# Altium PCB bms_afe_tester-1_0.PcbDoc (part 1 of 4)
Units mm, origin at the board's own origin, x right, y up, seen from the top; angles counter-clockwise.
Board outline 400 x 85 mm, 4 copper layers (L1, L2, L3, L4), stack 1.586 mm thick; 576 components, 326 nets, 1526 pads, 396 vias.
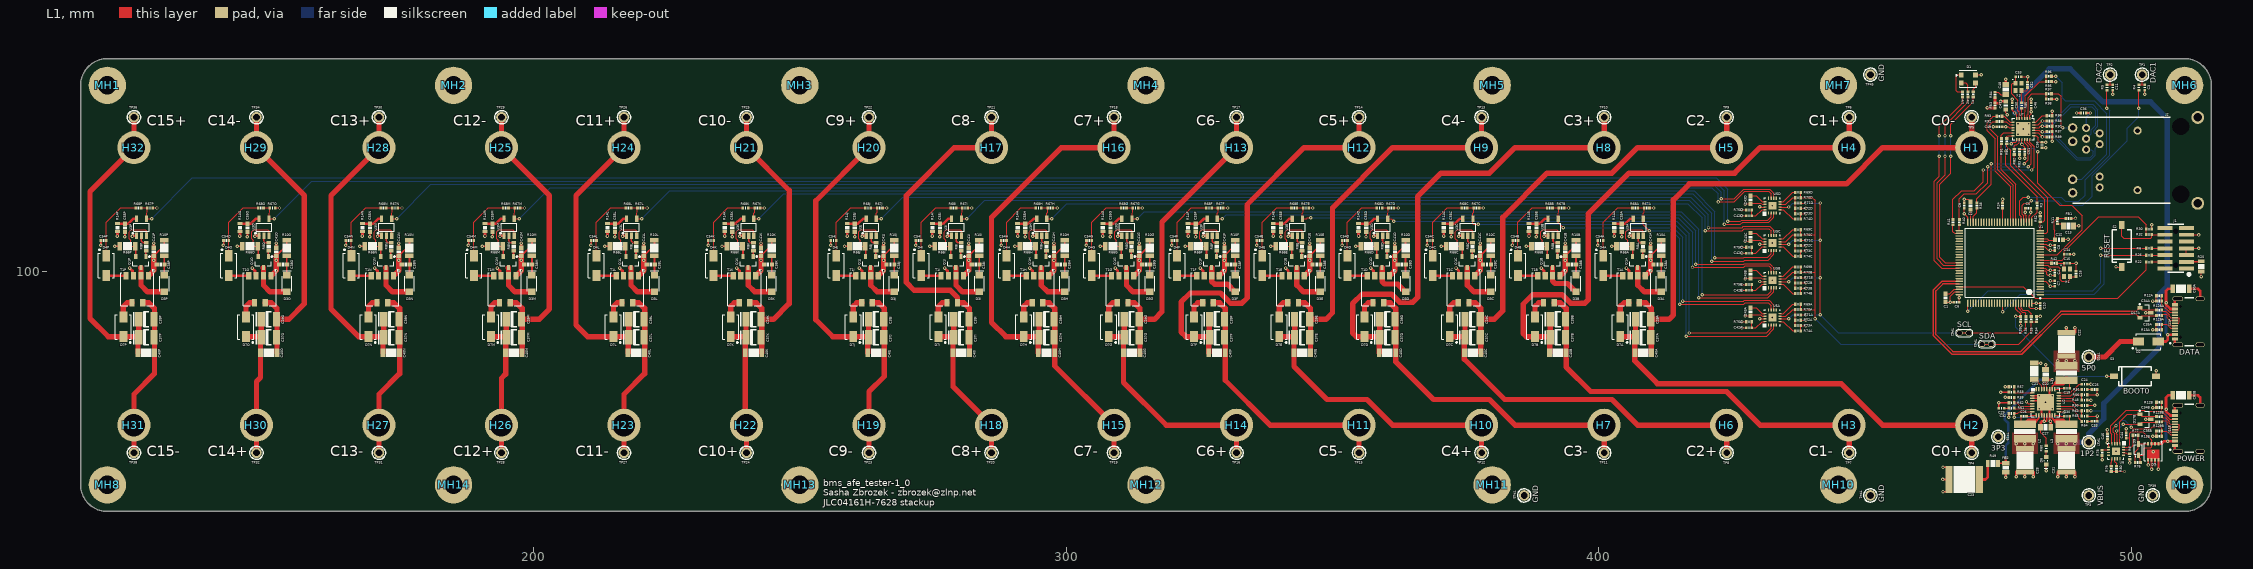
[diagram p0: L1 view]
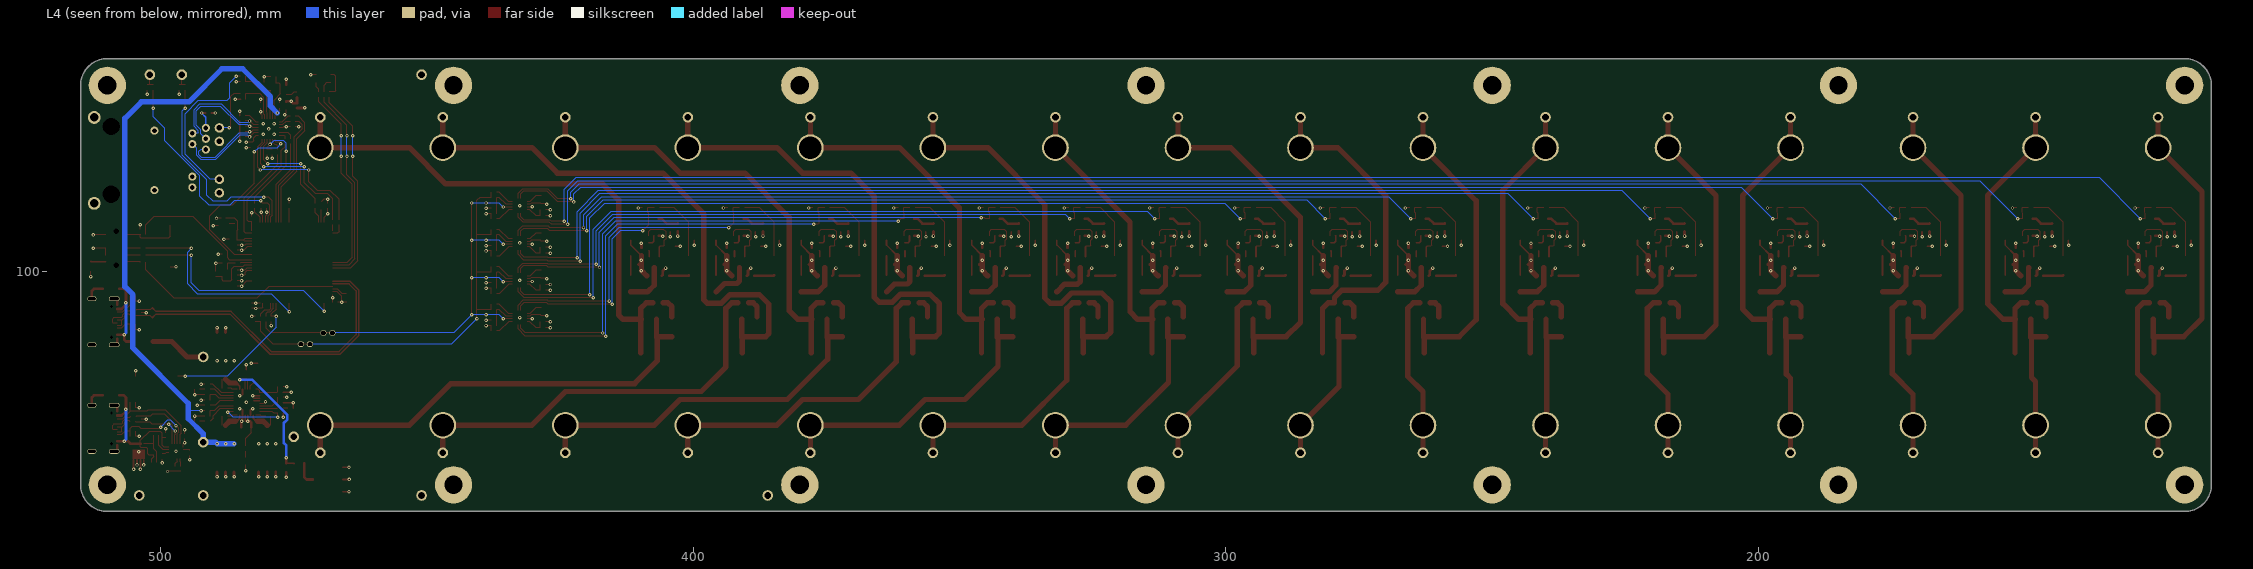
[diagram p1: L4 view, seen from below]
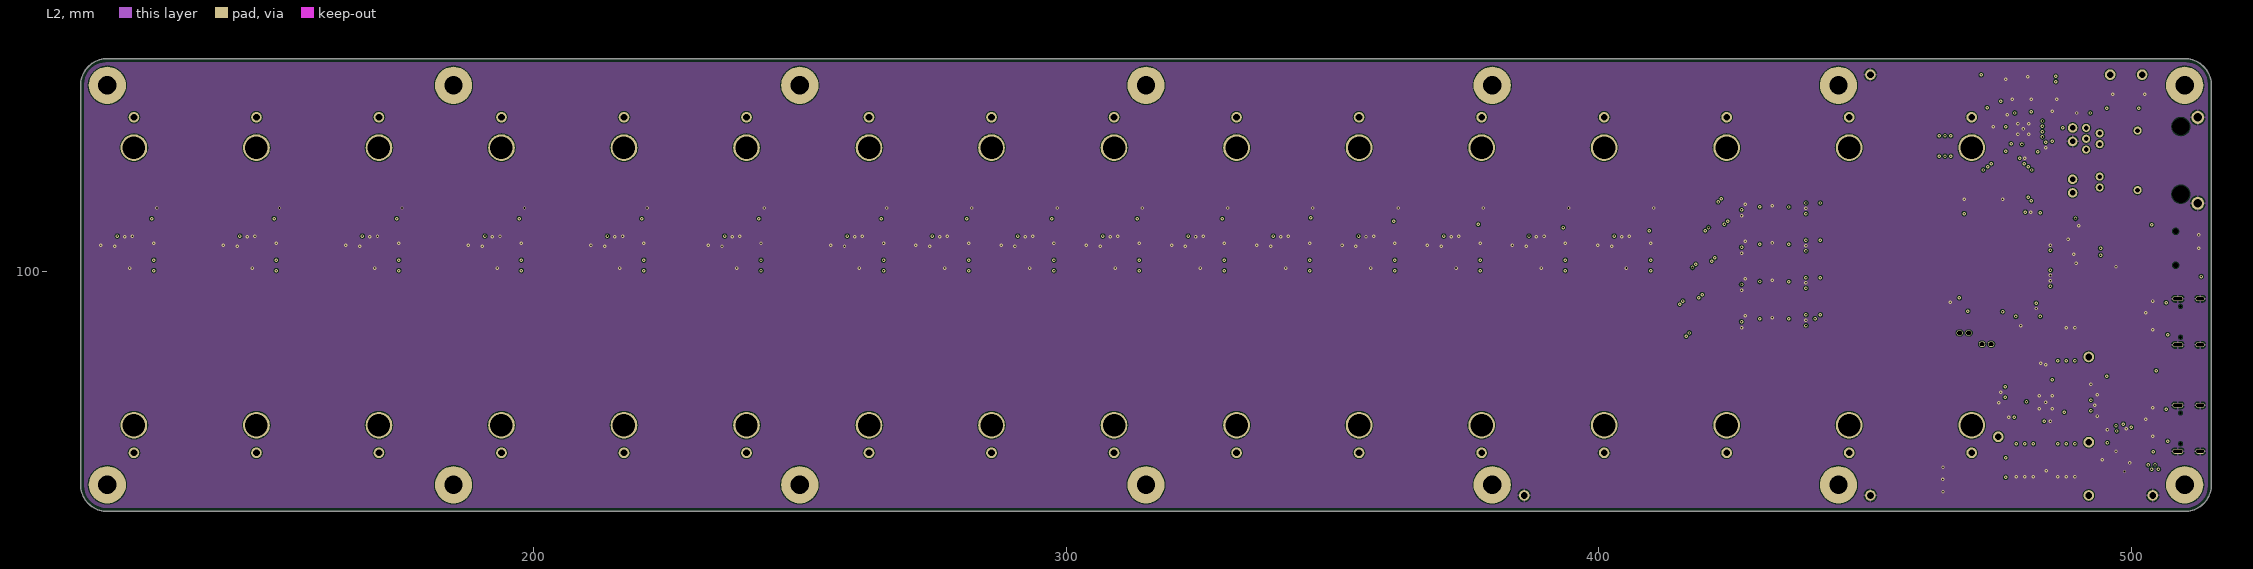
[diagram p2: L2]
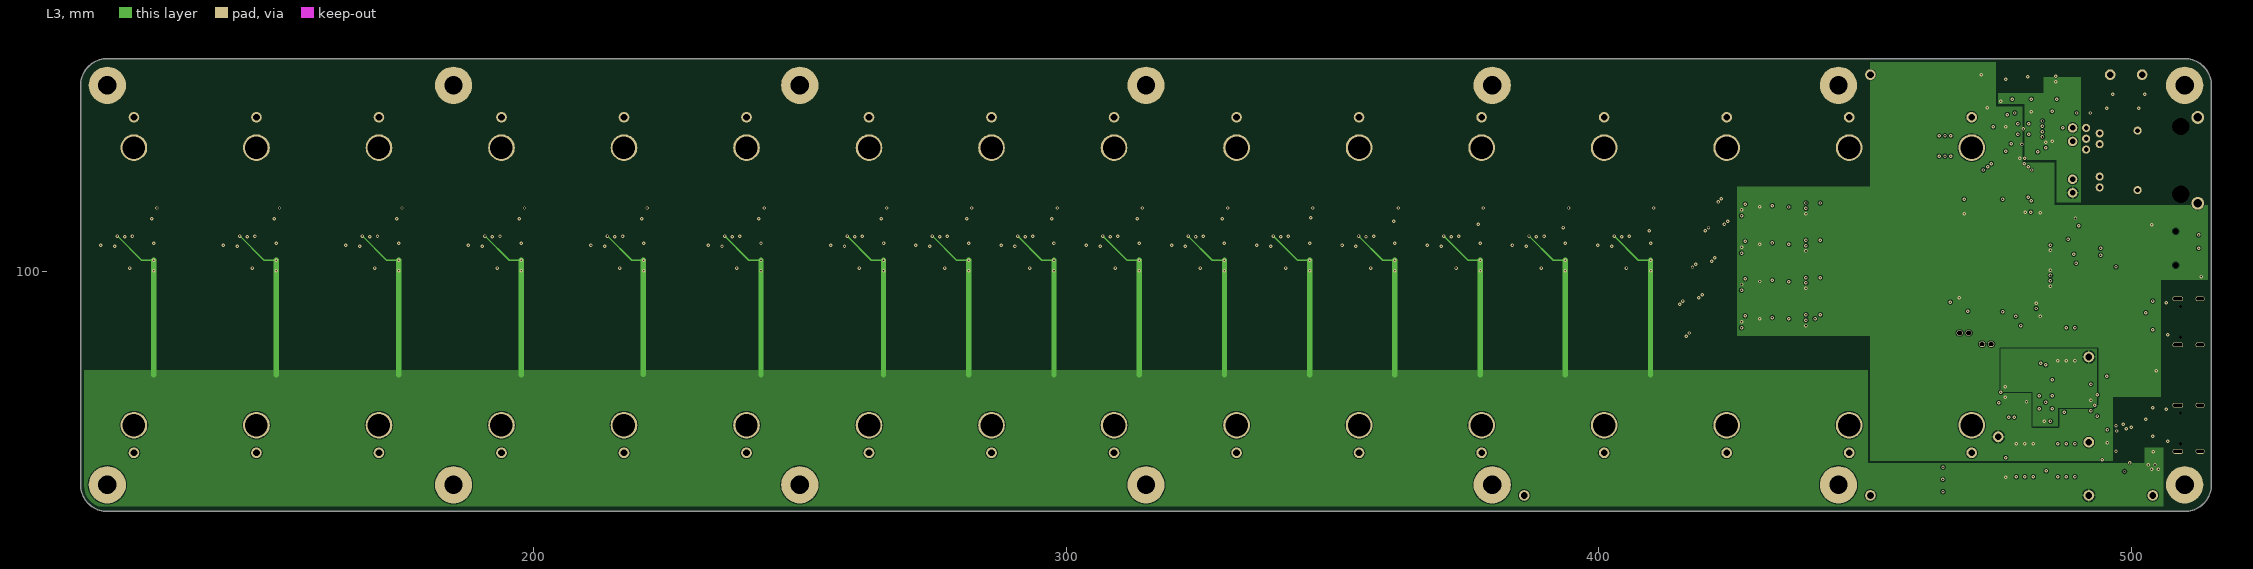
[diagram p3: L3]

## Layer stack, top to bottom
Top Solder: solder mask 0.0102, Solder Resist, Dk 3.5
L1: signal copper 0.035
D1: prepreg 0.2104, PP-006, Dk 4.1
L2: signal copper 0.0152
D2: core 1.065, FR-4, Dk 4.8
L3: signal copper 0.0152
D3: prepreg 0.2104, PP-006, Dk 4.1
L4: signal copper 0.035
Bottom Solder: solder mask 0.0102, Solder Resist, Dk 3.5

## Board outline
115,60 ccw(c120,60) 120,55 510,55 ccw(c510,60) 515,60 515,135 ccw(c510,135) 510,140 120,140 ccw(c120,135) 115,135

## Design rules (kind name [scope] priority, off if disabled: settings)
AcuteAngle [All] p1: minimum=7.00000000000000E+0001 checktracksonly=FALSE
AssemblyTestPointUsage [All] p1: valid=2
BoardOutlineClearance [All] p1: gap=0.635 ignorepadtopadclearanceinfootprint=FALSE except(0: Arc-SplitContinuation Track-SplitContinuation SMDPad-SplitContinuation THPad-SplitContinuation Via-SplitContinuation Fill-SplitContinuation Poly-SplitContinuation Region-SplitContinuation Text-SplitContinuation)
Clearance [All] p1: gap=0.152 ignorepadtopadclearanceinfootprint=TRUE except(0.254: Fill-Fill Fill-Poly Fill-Region Poly-Poly Poly-Region Region-Region)
ComponentClearance [All] p1 off: gap=0.254 collisioncheckmode=3 verticalgap=0.254 showdistances=FALSE
DiffPairsRouting DE_100 [InDifferentialPairClass('DE_100')] p1: maxlimit=0.2 minlimit=0.2 mostfreqgap=0.2 toplayer_minwidth=0.218 toplayer_maxwidth=0.218 toplayer_prefwidth=0.218 midlayer1_minwidth=0.218 midlayer1_maxwidth=0.218 midlayer1_prefwidth=0.218 midlayer2_minwidth=0.218 midlayer2_maxwidth=0.218 midlayer2_prefwidth=0.218 bottomlayer_minwidth=0.218 bottomlayer_maxwidth=0.218 bottomlayer_prefwidth=0.218 maxuncoupledlength=12.7
DiffPairsRouting DE_90 [InDifferentialPairClass('DE_90')] p2: maxlimit=0.2 minlimit=0.2 mostfreqgap=0.2 toplayer_minwidth=0.2 toplayer_maxwidth=0.284 toplayer_prefwidth=0.284 midlayer1_minwidth=0.2 midlayer1_maxwidth=0.284 midlayer1_prefwidth=0.284 midlayer2_minwidth=0.2 midlayer2_maxwidth=0.284 midlayer2_prefwidth=0.284 bottomlayer_minwidth=0.2 bottomlayer_maxwidth=0.284 bottomlayer_prefwidth=0.284 maxuncoupledlength=12.7
FabricationTestPointUsage [All] p1: valid=2 allowmultiple=FALSE
Height [All] p1: minheight=0 maxheight=50.8 prefheight=12.7
HoleSize [All] p1: absolutevalues=TRUE maxlimit=50.8 minlimit=0.2 maxpercent=80.000 minpercent=20.000
HoleToHoleClearance [All] p1: gap=0.5 allowstackedmicrovias=TRUE
MinimumAnnularRing MinimumViaRing [IsVia] p1: minimumring=0.072
MinimumAnnularRing [All] p2: minimumring=0.15
MinimumSolderMaskSliver [All] p1: minsoldermaskwidth=0.001
PlaneClearance [All] p1: clearance=0.203
PlaneConnect [All] p1: pad.planeconnectstyle=Relief pad.reliefexpansion=0.508 pad.reliefentries=4 pad.reliefconductorwidth=0.381 pad.reliefairgap=0.254 via.planeconnectstyle=Direct via.reliefexpansion=0.508 via.reliefentries=4 via.reliefconductorwidth=0.254 via.reliefairgap=0.254
PolygonConnect [All] p1: thpad.connectstyle=Relief thpad.reliefconductorwidth=0.381 thpad.reliefentries=4 thpad.polygonreliefangle="90 Angle" thpad.airgapwidth=0.254 smdpad.connectstyle=Direct smdpad.reliefconductorwidth=0.254 smdpad.reliefentries=4 smdpad.polygonreliefangle="90 Angle" smdpad.airgapwidth=0.254 via.connectstyle=Direct via.reliefconductorwidth=0.254 via.reliefentries=4 via.polygonreliefangle="90 Angle" via.airgapwidth=0.254
RoomDefinition dac02 [InComponentClass('dac02')] p1: confinementstyle=ConfineIn formatcopy=TRUE lockcomponents=FALSE outline 440,95 440,102 426,102 426,95
RoomDefinition dac04 [InComponentClass('dac04')] p2: confinementstyle=ConfineIn formatcopy=TRUE lockcomponents=FALSE outline 440,109 440,116 426,116 426,109
RoomDefinition flyback12 [InComponentClass('flyback12')] p3: confinementstyle=ConfineIn formatcopy=TRUE lockcomponents=FALSE outline 318,83 334,83 334,114 318,114
RoomDefinition flyback13 [InComponentClass('flyback13')] p4: confinementstyle=ConfineIn formatcopy=TRUE lockcomponents=FALSE outline 254,83 270,83 270,114 254,114
RoomDefinition flyback14 [InComponentClass('flyback14')] p5: confinementstyle=ConfineIn formatcopy=TRUE lockcomponents=FALSE outline 163,83 179,83 179,114 163,114
RoomDefinition flyback24 [InComponentClass('flyback24')] p6: confinementstyle=ConfineIn formatcopy=TRUE lockcomponents=FALSE outline 140,83 156,83 156,114 140,114
RoomDefinition flyback23 [InComponentClass('flyback23')] p7: confinementstyle=ConfineIn formatcopy=TRUE lockcomponents=FALSE outline 231,83 247,83 247,114 231,114
RoomDefinition flyback22 [InComponentClass('flyback22')] p8: confinementstyle=ConfineIn formatcopy=TRUE lockcomponents=FALSE outline 302,83 318,83 318,114 302,114
RoomDefinition flyback33 [InComponentClass('flyback33')] p9: confinementstyle=ConfineIn formatcopy=TRUE lockcomponents=FALSE outline 209,83 225,83 225,114 209,114
RoomDefinition flyback34 [InComponentClass('flyback34')] p10: confinementstyle=ConfineIn formatcopy=TRUE lockcomponents=FALSE outline 117,83 133,83 133,114 117,114
RoomDefinition flyback32 [InComponentClass('flyback32')] p11: confinementstyle=ConfineIn formatcopy=TRUE lockcomponents=FALSE outline 286,83 302,83 302,114 286,114
RoomDefinition flyback31 [InComponentClass('flyback31')] p12: confinementstyle=ConfineIn formatcopy=TRUE lockcomponents=FALSE outline 350,83 366,83 366,114 350,114
RoomDefinition flyback21 [InComponentClass('flyback21')] p13: confinementstyle=ConfineIn formatcopy=TRUE lockcomponents=FALSE outline 366,83 382,83 382,114 366,114
RoomDefinition flyback11 [InComponentClass('flyback11')] p14: confinementstyle=ConfineIn formatcopy=TRUE lockcomponents=FALSE outline 382,83 398,83 398,114 382,114
RoomDefinition flyback03 [InComponentClass('flyback03')] p15: confinementstyle=ConfineIn formatcopy=TRUE lockcomponents=FALSE outline 270,83 286,83 286,114 270,114
RoomDefinition flyback04 [InComponentClass('flyback04')] p16: confinementstyle=ConfineIn formatcopy=TRUE lockcomponents=FALSE outline 186,83 202,83 202,114 186,114
RoomDefinition flyback02 [InComponentClass('flyback02')] p17: confinementstyle=ConfineIn formatcopy=TRUE lockcomponents=FALSE outline 334,83 350,83 350,114 334,114
RoomDefinition flyback01 [InComponentClass('flyback01')] p18: confinementstyle=ConfineIn formatcopy=TRUE lockcomponents=FALSE outline 398,83 414,83 414,114 398,114
RoomDefinition dac03 [InComponentClass('dac03')] p19: confinementstyle=ConfineIn formatcopy=TRUE lockcomponents=FALSE outline 440,102 440,109 426,109 426,102
RoomDefinition dac01 [InComponentClass('dac01')] p20: confinementstyle=ConfineIn formatcopy=TRUE lockcomponents=FALSE outline 440,88 440,95 426,95 426,88
RoutingVias [All] p1: holewidth=0.3 width=0.6 viastyle="Through Hole" minholewidth=0.3 minwidth=0.6 maxholewidth=25.4 maxwidth=25.4
SilkToSilkClearance [All] p1: silktosilkclearance=0.076
SilkToSolderMaskClearance SilkscreenOverComponentPads [IsPad] p1: minsilkscreentomaskgap=0.003 clearancetoexposedcopper=FALSE
SolderMaskExpansion Vias [IsVia] p1: expansion=0.051 istentingtop=FALSE soldermaskfromhole=TRUE
SolderMaskExpansion "Default expansion" [All] p2: expansion=0.076 istentingtop=FALSE
SupplyNets "Schematic Supply Nets_7" [InNet('VBUS')] p1: voltage=0.000
SupplyNets "Schematic Supply Nets_6" [InNet('5P0')] p2: voltage=0.000
SupplyNets "Schematic Supply Nets_5" [InNet('3P3')] p3: voltage=0.000
SupplyNets "Schematic Supply Nets_4" [InNet('GND')] p4: voltage=0.000
SupplyNets "Schematic Supply Nets_1" [InNet('1P2')] p5: voltage=0.000
UnRoutedNet [All] p1: checkbadconnections=TRUE
Width SE_50 [InNetClass('SE_50')] p1: maxlimit=0.349 minlimit=0.152 preferedwidth=0.349
Width [All] p2: maxlimit=50.8 minlimit=0.152 preferedwidth=0.203
17 further rules are at their usual default settings.

## Classes and differential pairs
channel class conn_usbc: conn_usbc_data conn_usbc_power
component class conn_usbc_data: C34A C35A C80A D17A J11A R12A R13A R128A R129A
component class flyback33: C37L C38L C39L C40L C41L C54L C55L D3L D4L D7L Q1L R8L R10L R14L R66L R67L R68L T1L U3L
component class flyback12: C37F C38F C39F C40F C41F C54F C55F D3F D4F D7F Q1F R8F R10F R14F R66F R67F R68F T1F U3F
component class flyback02: C37E C38E C39E C40E C41E C54E C55E D3E D4E D7E Q1E R8E R10E R14E R66E R67E R68E T1E U3E
differential pair class DE_100: RX TX
differential pair class DE_90: USB._1
channel class flyback_circuit: flyback01 flyback02 flyback03 flyback04 flyback11 flyback12 flyback13 flyback14 flyback21 flyback22 flyback23 flyback24 flyback31 flyback32 flyback33 flyback34
channel class dac_dac4320_4ch: dac01 dac02 dac03 dac04
channel class 4ch_flyback: 4ch_flyback0 4ch_flyback1 4ch_flyback2 4ch_flyback3
component class pmic_buck: C19 C20 C21 C22 C23 C24 C25 C26 C27 C28 C29 C30 C31 C32 C33 D6 FB2 L1 L2 L3 R48 R49 R50 R51 R56 R57 R58 R59 R60 R61 R62 R63 R64 R65 U2
component class pd_negotiation: C44 C45 D9 Q3 R9 R76 R77 R78 R79 R80 U6
component class flyback34: C37P C38P C39P C40P C41P C54P C55P D3P D4P D7P Q1P R8P R10P R14P R66P R67P R68P T1P U3P U4P
component class flyback14: C37N C38N C39N C40N C41N C54N C55N D3N D4N D7N Q1N R8N R10N R14N R66N R67N R68N T1N U3N U4O
component class flyback24: C37O C38O C39O C40O C41O C54O C55O D3O D4O D7O Q1O R8O R10O R14O R66O R67O R68O T1O U3O U4N
component class flyback04: C37M C38M C39M C40M C41M C54M C55M D3M D4M D7M Q1M R8M R10M R14M R66M R67M R68M T1M U3M U4M
component class flyback03: C37I C38I C39I C40I C41I C54I C55I D3I D4I D7I Q1I R8I R10I R14I R66I R67I R68I T1I U3I U4L
component class flyback23: C37K C38K C39K C40K C41K C54K C55K D3K D4K D7K Q1K R8K R10K R14K R66K R67K R68K T1K U3K U4K
component class flyback13: C37J C38J C39J C40J C41J C54J C55J D3J D4J D7J Q1J R8J R10J R14J R66J R67J R68J T1J U3J U4J
component class flyback32: C37H C38H C39H C40H C41H C54H C55H D3H D4H D7H Q1H R8H R10H R14H R66H R67H R68H T1H U3H U4H
component class flyback22: C37G C38G C39G C40G C41G C54G C55G D3G D4G D7G Q1G R8G R10G R14G R66G R67G R68G T1G U3G U4G
component class flyback31: C37D C38D C39D C40D C41D C54D C55D D3D D4D D7D Q1D R8D R10D R14D R66D R67D R68D T1D U3D U4D
component class flyback21: C37C C38C C39C C40C C41C C54C C55C D3C D4C D7C Q1C R8C R10C R14C R66C R67C R68C T1C U3C U4C
component class flyback11: C37B C38B C39B C40B C41B C54B C55B D3B D4B D7B Q1B R8B R10B R14B R66B R67B R68B T1B U3B U4B
component class flyback01: C37A C38A C39A C40A C41A C54A C55A D3A D4A D7A Q1A R8A R10A R14A R66A R67A R68A T1A U3A U4A
component class ethernet_phy: C36 C46 C47 C48 C49 C50 C51 C52 C53 C56 FB3 J2 R81 R82 R83 R84 R85 R86 R87 R88 R89 R90 R91 R92 R93 R95 R96 R97 R98 U7 X3
component class dac04: C42D C43D R69D R70D R71D R72D R73D R74D R75D U5D
component class dac03: C42C C43C R69C R70C R71C R72C R73C R74C R75C U5C
component class dac02: C42B C43B R69B R70B R71B R72B R73B R74B R75B U5B
component class dac01: C42A C43A R69A R70A R71A R72A R73A R74A R75A U5A
component class conn_usbc_power: C34B C35B C80B D17B J11B R12B R13B R128B R129B
component class top: D2 H1 H2 H3 H4 H5 H6 H7 H8 H9 H10 H11 H12 H13 H14 H15 H16 H17 H18 H19 H20 H21 H22 H23 H24 H25 H26 H27 H28 H29 H30 H31 H32 MH1 MH2 MH3 MH4 MH5 MH6 MH7 MH8 MH9 MH10 MH11 MH12 MH13 MH14 TP3 TP4 TP5 TP6 TP7 TP8 TP9 TP10 TP11 TP12 TP13 TP14 TP15 TP16 TP17 TP18 TP19 TP20 TP21 TP22 TP23 TP24 TP25 TP26 TP27 TP28 TP29 TP30 TP31 TP32 TP33 TP34 TP35 TP36 TP37 TP38 TP39 TP41 TP43 TP45
component class mcu_stm32f429: C1 C2 C3 C4 C5 C6 C7 C8 C9 C10 C11 C12 C13 C14 C15 C16 D1 FB1 J1 R1 R2 R3 R4 R5 R6 R7 R11 R20 R22 R24 R26 R30 R32 R35 R36 R38 R39 R40 R41 R42 R52 R54 S2 S3 TP1 TP2 TP62 TP63 U1 X1
differential pair USB._1: +USB._1_P -USB._1_N
differential pair TX: +TX_P -TX_N
differential pair RX: +RX_P -RX_N

## Components (designator, comment, footprint, x,y, rotation, side; value= is the part's Value field where it differs from the comment)
C1 "GCM188R70J225KE22D" C0603 465.1,95.1 r270 top
C2 "GCM188R70J225KE22D" C0603 469.8,112.4 r90 top
C3 "CL05B103KB5NNNC" C0402 502.5,134.6 r270 top
C4 "CL05B104KB54PNC" C0402 485.6,99.8 r270 top
C5 "CL05B104KB54PNC" C0402 480.6,111.9 r0 top
C6 "CL05B104KB54PNC" C0402 467.2,94.3 r180 top
C7 "CL05B104KB54PNC" C0402 485.6,97.8 r90 top
C8 "CL05B104KB54PNC" C0402 485.6,104.5 r90 top
C9 "CL05B104KB54PNC" C0402 468.6,112.4 r90 top
C10 "CL05B104KB54PNC" C0402 482.9,93.6 r270 top
C11 "CL05B103KB5NNNC" C0402 496.5,134.6 r270 top
C12 "CL10B105KA8NNNC" C0603 486.4,106 r0 top
C13 "CC0805KKX7R5BB106" C0805 488.2,108.6 r0 top
C14 "CC0402JRNPO9BN270" C0402 487.9,103.3 r0 top
C15 "CC0402CRNPO9BN6R0" C0402 487.9,101.6 r0 top
C16 "CC0402CRNPO9BN6R0" C0402 489.6,99.6 r90 top
C19 "CL05B104KB54PNC" C0402 487.9,78.1 r0 top
C20 "CL21B475KAFNNNE" C0805 483.9,80.7 r90 top
C21 "CL31B106KBHNNNE" C1206 481.8,81.3 r90 top
C22 "C4532X7R1C336MT000N" C1812 487.8,86.4 r90 top
C23 "CGA9N3X7R1C476MT0Y0N" C2220 468.6,61 r180 top
C24 "CL05B104KB54PNC" C0402 491.2,78.9 r0 top
C25 "GRM1555C1H222GA01D" C0402 493.1,77.9 r0 top
C26 "CL05B104KB54PNC" C0402 479.8,72.9 r180 top
C27 "CL21B475KAFNNNE" C0805 483.9,70.8 r0 top
C28 "C4532X7R1C336MT000N" C1812 480,64.6 r270 top
C29 "GRM1555C1H222GA01D" C0402 475.6,74.4 r180 top
C30 "CL05B104KB54PNC" C0402 487.9,72.9 r0 top
C31 "C4532X7R1C336MT000N" C1812 487.8,64.6 r270 top
C32 "CL05B104KB54PNC" C0402 477.5,73.4 r180 top
C33 "GRM1555C1H222GA01D" C0402 493.1,71.9 r0 top
C34A "CL05C331JB5NNNC" C0402 505.2,94.5 r180 top (schematic designator C34)
C34B "CL05C331JB5NNNC" C0402 505.2,74.5 r180 top (schematic designator C34)
C35A "CL05C331JB5NNNC" C0402 505.2,90.1 r180 top (schematic designator C35)
C35B "CL05C331JB5NNNC" C0402 505.2,70.1 r180 top (schematic designator C35)
C36 "CL05B104KB54PNC" C0402 491,129.8 r180 top
C37A "TAJB476M010RNJ" TANT_3.5MMX2.8MMX1.9MM 408.325,87.666 r0 top (schematic designator C37)
C37B "TAJB476M010RNJ" TANT_3.5MMX2.8MMX1.9MM 392.325,87.666 r0 top (schematic designator C37)
C37C "TAJB476M010RNJ" TANT_3.5MMX2.8MMX1.9MM 376.325,87.666 r0 top (schematic designator C37)
C37D "TAJB476M010RNJ" TANT_3.5MMX2.8MMX1.9MM 360.325,87.666 r0 top (schematic designator C37)
C37E "TAJB476M010RNJ" TANT_3.5MMX2.8MMX1.9MM 344.325,87.666 r0 top (schematic designator C37)
C37F "TAJB476M010RNJ" TANT_3.5MMX2.8MMX1.9MM 328.325,87.666 r0 top (schematic designator C37)
C37G "TAJB476M010RNJ" TANT_3.5MMX2.8MMX1.9MM 312.325,87.666 r0 top (schematic designator C37)
C37H "TAJB476M010RNJ" TANT_3.5MMX2.8MMX1.9MM 296.325,87.666 r0 top (schematic designator C37)
C37I "TAJB476M010RNJ" TANT_3.5MMX2.8MMX1.9MM 280.325,87.666 r0 top (schematic designator C37)
C37J "TAJB476M010RNJ" TANT_3.5MMX2.8MMX1.9MM 264.325,87.666 r0 top (schematic designator C37)
C37K "TAJB476M010RNJ" TANT_3.5MMX2.8MMX1.9MM 241.325,87.666 r0 top (schematic designator C37)
C37L "TAJB476M010RNJ" TANT_3.5MMX2.8MMX1.9MM 219.325,87.666 r0 top (schematic designator C37)
C37M "TAJB476M010RNJ" TANT_3.5MMX2.8MMX1.9MM 196.325,87.666 r0 top (schematic designator C37)
C37N "TAJB476M010RNJ" TANT_3.5MMX2.8MMX1.9MM 173.325,87.666 r0 top (schematic designator C37)
C37O "TAJB476M010RNJ" TANT_3.5MMX2.8MMX1.9MM 150.325,87.666 r0 top (schematic designator C37)
C37P "TAJB476M010RNJ" TANT_3.5MMX2.8MMX1.9MM 127.325,87.666 r0 top (schematic designator C37)
C38A "CGA3EAC0G2A103JT000E" C0603 411.025,101.366 r0 top (schematic designator C38)
C38B "CGA3EAC0G2A103JT000E" C0603 395.025,101.366 r0 top (schematic designator C38)
C38C "CGA3EAC0G2A103JT000E" C0603 379.025,101.366 r0 top (schematic designator C38)
C38D "CGA3EAC0G2A103JT000E" C0603 363.025,101.366 r0 top (schematic designator C38)
C38E "CGA3EAC0G2A103JT000E" C0603 347.025,101.366 r0 top (schematic designator C38)
C38F "CGA3EAC0G2A103JT000E" C0603 331.025,101.366 r0 top (schematic designator C38)
C38G "CGA3EAC0G2A103JT000E" C0603 315.025,101.366 r0 top (schematic designator C38)
C38H "CGA3EAC0G2A103JT000E" C0603 299.025,101.366 r0 top (schematic designator C38)
C38I "CGA3EAC0G2A103JT000E" C0603 283.025,101.366 r0 top (schematic designator C38)
C38J "CGA3EAC0G2A103JT000E" C0603 267.025,101.366 r0 top (schematic designator C38)
C38K "CGA3EAC0G2A103JT000E" C0603 244.025,101.366 r0 top (schematic designator C38)
C38L "CGA3EAC0G2A103JT000E" C0603 222.025,101.366 r0 top (schematic designator C38)
C38M "CGA3EAC0G2A103JT000E" C0603 199.025,101.366 r0 top (schematic designator C38)
C38N "CGA3EAC0G2A103JT000E" C0603 176.025,101.366 r0 top (schematic designator C38)
C38O "CGA3EAC0G2A103JT000E" C0603 153.025,101.366 r0 top (schematic designator C38)
C38P "CGA3EAC0G2A103JT000E" C0603 130.025,101.366 r0 top (schematic designator C38)
C39A "TAJB476M010RNJ" TANT_3.5MMX2.8MMX1.9MM 408.325,91.066 r0 top (schematic designator C39)
C39B "TAJB476M010RNJ" TANT_3.5MMX2.8MMX1.9MM 392.325,91.066 r0 top (schematic designator C39)
C39C "TAJB476M010RNJ" TANT_3.5MMX2.8MMX1.9MM 376.325,91.066 r0 top (schematic designator C39)
C39D "TAJB476M010RNJ" TANT_3.5MMX2.8MMX1.9MM 360.325,91.066 r0 top (schematic designator C39)
C39E "TAJB476M010RNJ" TANT_3.5MMX2.8MMX1.9MM 344.325,91.066 r0 top (schematic designator C39)
C39F "TAJB476M010RNJ" TANT_3.5MMX2.8MMX1.9MM 328.325,91.066 r0 top (schematic designator C39)
C39G "TAJB476M010RNJ" TANT_3.5MMX2.8MMX1.9MM 312.325,91.066 r0 top (schematic designator C39)
C39H "TAJB476M010RNJ" TANT_3.5MMX2.8MMX1.9MM 296.325,91.066 r0 top (schematic designator C39)
C39I "TAJB476M010RNJ" TANT_3.5MMX2.8MMX1.9MM 280.325,91.066 r0 top (schematic designator C39)
C39J "TAJB476M010RNJ" TANT_3.5MMX2.8MMX1.9MM 264.325,91.066 r0 top (schematic designator C39)
C39K "TAJB476M010RNJ" TANT_3.5MMX2.8MMX1.9MM 241.325,91.066 r0 top (schematic designator C39)
C39L "TAJB476M010RNJ" TANT_3.5MMX2.8MMX1.9MM 219.325,91.066 r0 top (schematic designator C39)
C39M "TAJB476M010RNJ" TANT_3.5MMX2.8MMX1.9MM 196.325,91.066 r0 top (schematic designator C39)
C39N "TAJB476M010RNJ" TANT_3.5MMX2.8MMX1.9MM 173.325,91.066 r0 top (schematic designator C39)
C39O "TAJB476M010RNJ" TANT_3.5MMX2.8MMX1.9MM 150.325,91.066 r0 top (schematic designator C39)
C39P "TAJB476M010RNJ" TANT_3.5MMX2.8MMX1.9MM 127.325,91.066 r0 top (schematic designator C39)
C40A "CL31B106KOHNNNE" C1206 408.325,84.766 r0 top (schematic designator C40)
C40B "CL31B106KOHNNNE" C1206 392.325,84.766 r0 top (schematic designator C40)
C40C "CL31B106KOHNNNE" C1206 376.325,84.766 r0 top (schematic designator C40)
C40D "CL31B106KOHNNNE" C1206 360.325,84.766 r0 top (schematic designator C40)
C40E "CL31B106KOHNNNE" C1206 344.325,84.766 r0 top (schematic designator C40)
C40F "CL31B106KOHNNNE" C1206 328.325,84.766 r0 top (schematic designator C40)
C40G "CL31B106KOHNNNE" C1206 312.325,84.766 r0 top (schematic designator C40)
C40H "CL31B106KOHNNNE" C1206 296.325,84.766 r0 top (schematic designator C40)
C40I "CL31B106KOHNNNE" C1206 280.325,84.766 r0 top (schematic designator C40)